# Altium PCB FMC_ADC_250M_16B_4ch_pcb.PcbDoc (part 3 of 8) (continued)
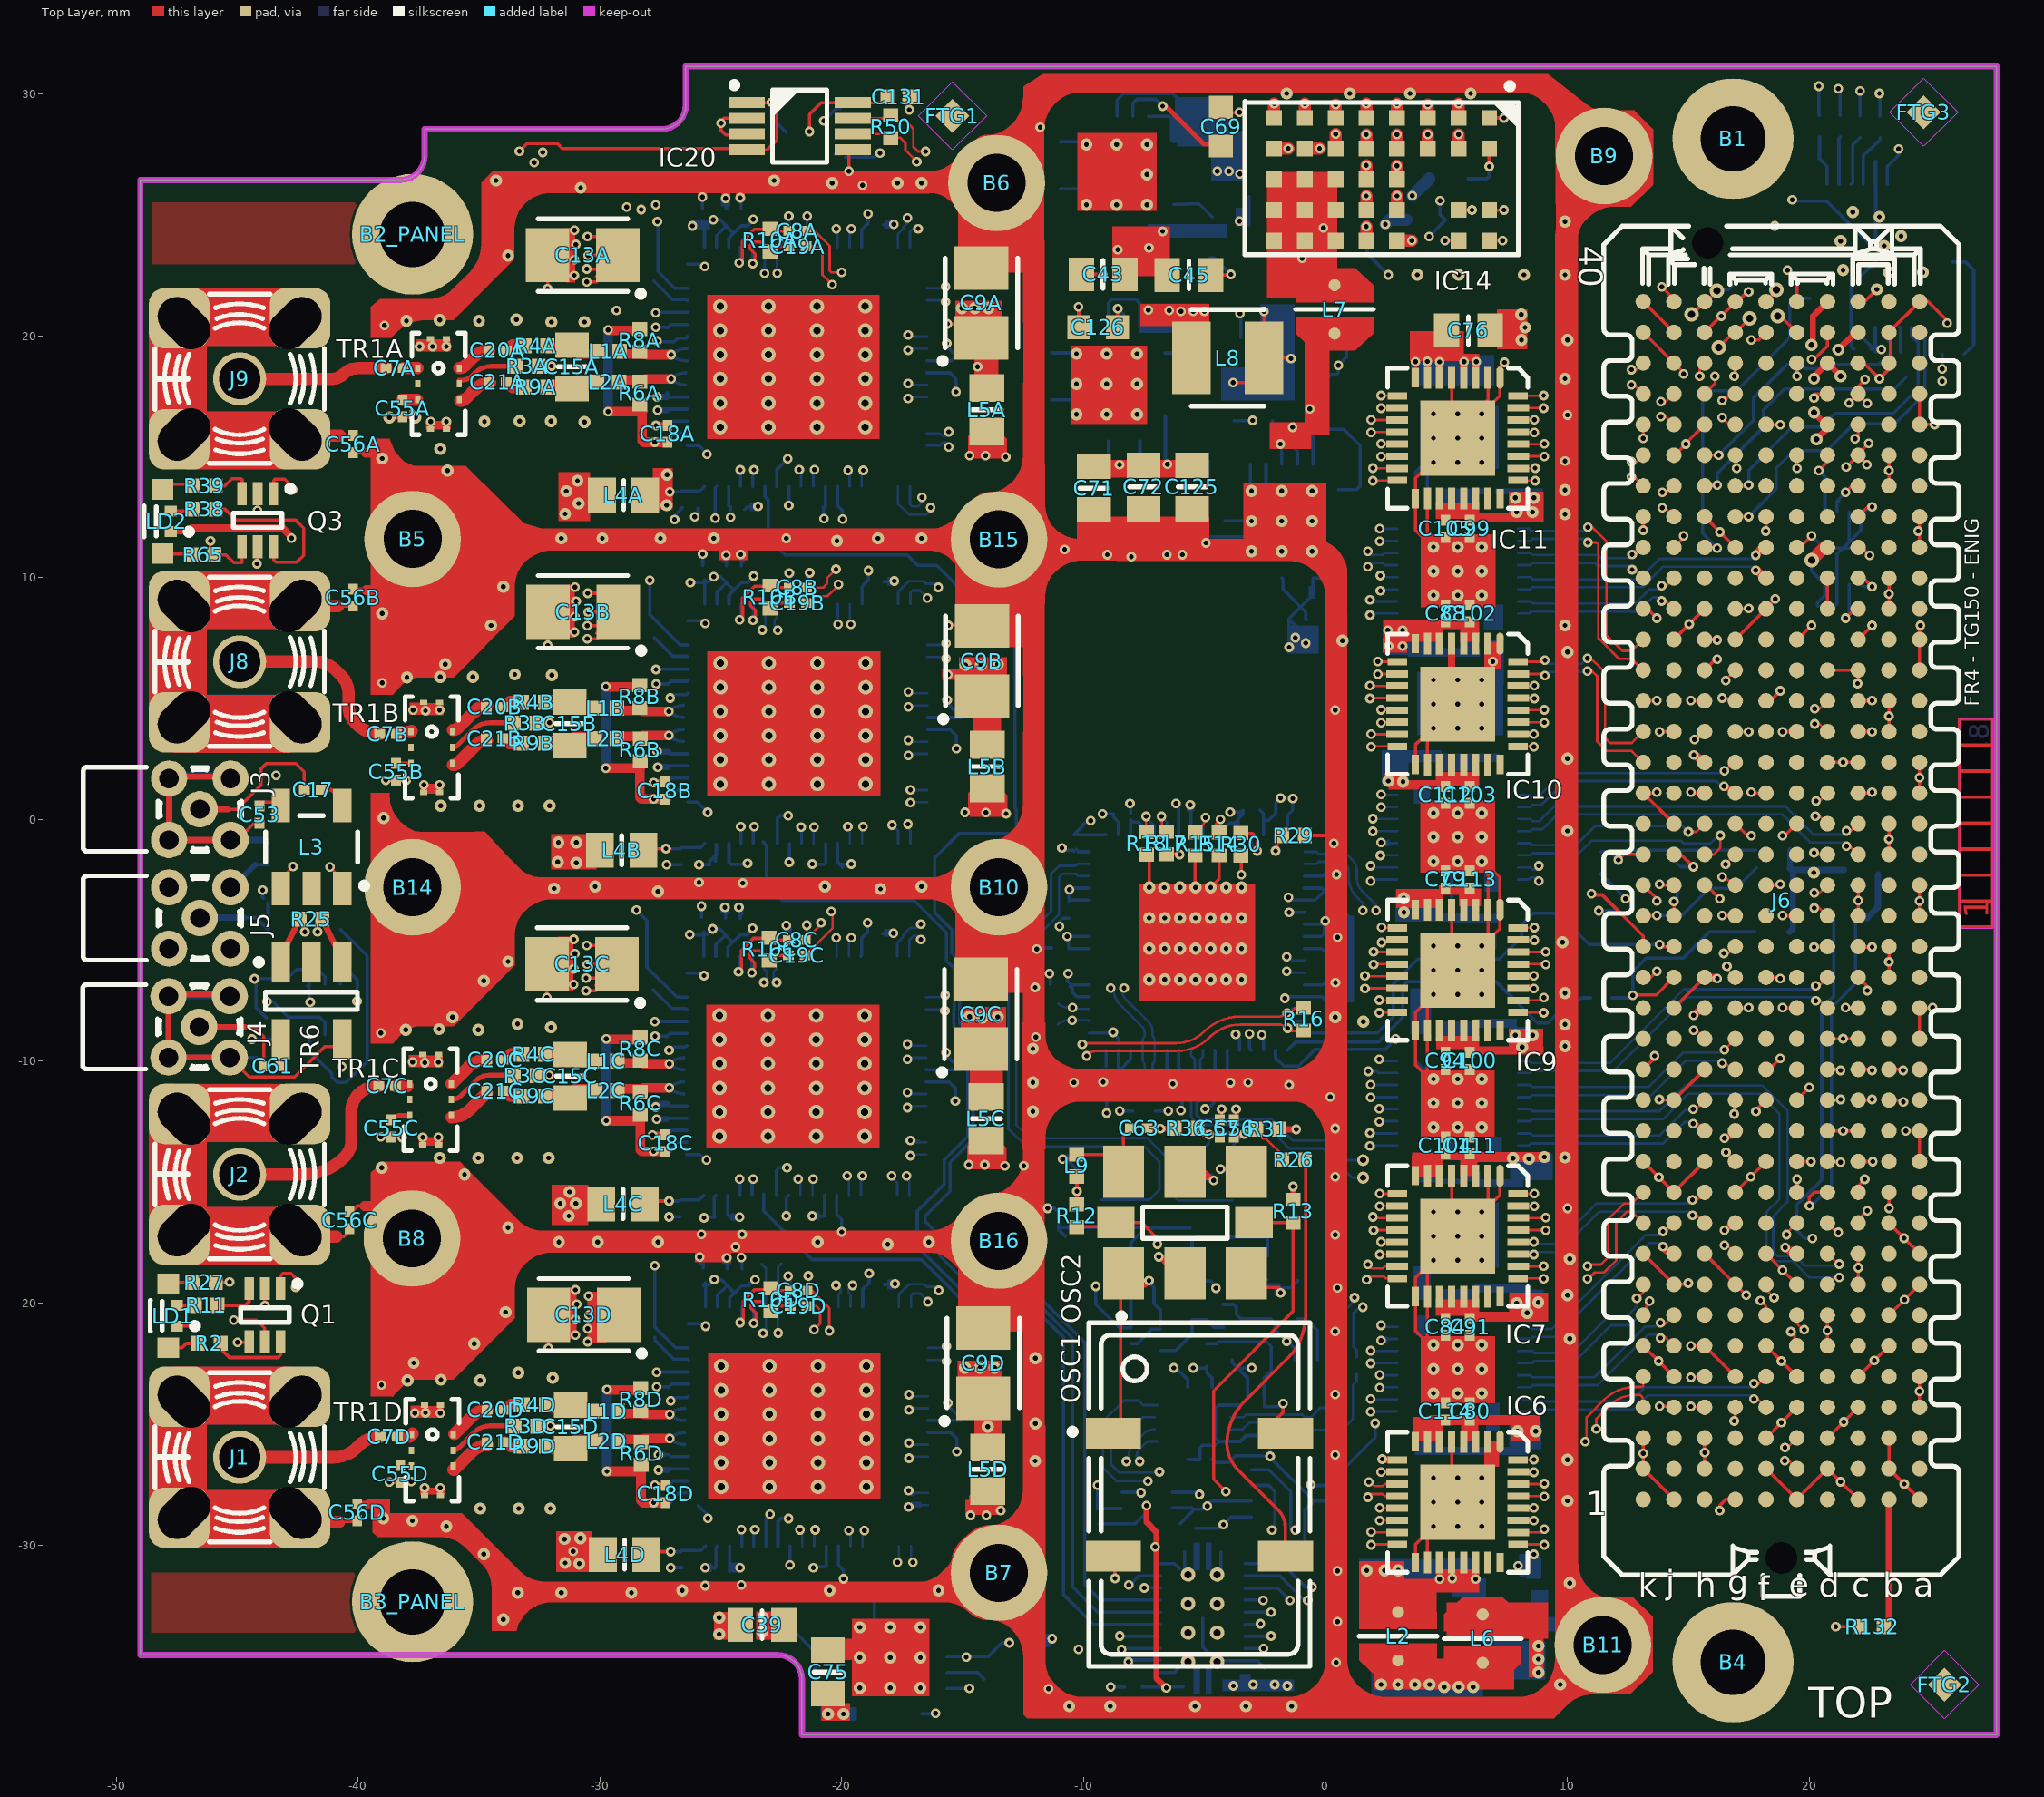
[diagram p0: Top Layer view]
## Nets (pads, with @x,y where several pads share a name; then routed paths per layer and width w, separated by ;. In a path a pad name is that pad's centre, name@x,y a point inside that pad or via, vN(x,y) a via of type N, cw(c..) or ccw(c..) an arc to the next point about the centre after c; other vN are vias at no path point) (continued)
  Bottom Layer w0.102: v1(-17.213,-25.787) -17.149,-25.85 IC1D.47@-16.433,-25.85 ; v1(1.865,-23.966) 1.879,-23.979 IC5.10@2.971,-23.979
ADC_DATA0.CLKOUT_P: IC1D.48 IC5.9 | length 22.4
  L3 w0.102: v1(-17.213,-26.414) -17.023,-26.224 -16.245,-26.224 -13.821,-23.8 -0.991,-23.8 -0.424,-24.366 1.739,-24.366 v1(1.865,-24.493)
  Bottom Layer w0.102: v1(-17.213,-26.414) -17.149,-26.35 IC1D.48@-16.433,-26.35 ; v1(1.865,-24.493) 1.879,-24.479 IC5.9@2.971,-24.479
ADC_DATA0.D0_N: IC1D.63 IC6.15 | length 27.9
  Top Layer w0.102: v1(1.891,-29.466) 1.904,-29.479 IC6.15@2.971,-29.479
  L3 w0.102: -21.299,-29.45 -21.299,-30.059 -21.096,-30.262 -20.131,-30.262 -19.064,-31.329 -16.524,-31.329 -14.376,-29.181 -11.288,-29.181 -10.043,-30.426 0.358,-30.426 1.168,-29.615 1.742,-29.615 v1(1.891,-29.466)
  Bottom Layer w0.102: IC1D.63@-21.133,-30.05 -21.133,-29.461 v1@-21.071,-29.399
  other v1: -21.099,-29.373
ADC_DATA0.D0_P: IC1D.64 IC6.16 | length 28.2
  Top Layer w0.102: v1(1.891,-29.993) 1.904,-29.979 IC6.16@2.971,-29.979
  L3 w0.102: -21.528,-29.45 -21.528,-30.154 -21.191,-30.491 -20.226,-30.491 -19.159,-31.558 -16.429,-31.558 -14.281,-29.41 -11.383,-29.41 -10.16,-30.632 -10.138,-30.655 0.452,-30.655 0.474,-30.632 1.263,-29.844 1.742,-29.844 v1(1.891,-29.993)
  Bottom Layer w0.102: v1@-21.731,-29.45 -21.633,-29.547 IC1D.64@-21.633,-30.05
  other v1: -21.728,-29.373
ADC_DATA0.D2_N: IC1D.59 IC6.12 | length 24.9
  Top Layer w0.102: v1(1.764,-28.027) 1.896,-27.895 2.371,-27.895 2.455,-27.979 IC6.12@2.971,-27.979
  L3 w0.102: v1(-19.064,-29.399) -19.064,-29.373 -18.836,-29.145 -16.673,-29.145 -15.022,-27.494 -11.013,-27.494 -9.423,-29.083 -4.674,-29.083 -4.394,-28.804 -0.591,-28.804 0.388,-27.824 1.561,-27.824 v1(1.764,-28.027)
  Bottom Layer w0.102: IC1D.59@-19.133,-30.05 -19.133,-29.468 v1(-19.064,-29.399)
ADC_DATA0.D2_P: IC1D.60 IC6.11 | length 25.6
  Top Layer w0.102: v1(1.789,-27.392) 1.846,-27.392 2.018,-27.564 2.371,-27.564 2.455,-27.479 IC6.11@2.971,-27.479
  L3 w0.102: v1@-19.633,-29.465 -19.633,-29.434 -19.116,-28.916 -16.768,-28.916 -15.117,-27.265 -15.095,-27.265 -10.918,-27.265 -9.329,-28.854 -4.768,-28.854 -4.438,-28.524 -0.635,-28.524 0.294,-27.595 1.404,-27.595 ; 1.419,-27.581 1.434,-27.595 1.586,-27.595 v1(1.789,-27.392)
  Bottom Layer w0.102: v1(-19.699,-29.399) -19.633,-29.465 IC1D.60@-19.633,-30.05
ADC_DATA0.D4_N: IC1D.55 IC6.14 | length 23.9
  Top Layer w0.102: v1(2.246,-28.993) 2.26,-28.979 IC6.14@2.971,-28.979
  L3 w0.102: v1(-17.061,-30.72) -17.235,-30.72 -17.261,-30.694 -17.261,-30.313 -16.677,-29.729 -16.201,-29.729 -14.569,-28.098 -11.646,-28.098 -10.051,-29.693 -10.023,-29.721 -4.772,-29.721 -4.365,-30.129 -0.004,-30.129 1.281,-28.844 2.097,-28.844 v1(2.246,-28.993)
  Bottom Layer w0.102: IC1D.55@-17.133,-30.05 -17.133,-30.647 v1(-17.061,-30.72)
ADC_DATA0.D4_P: IC1D.56 IC6.13 | length 24.3
  Top Layer w0.102: v1(2.246,-28.466) 2.26,-28.479 IC6.13@2.971,-28.479
  L3 w0.102: v1(-17.689,-30.72) -17.515,-30.72 -17.489,-30.694 -17.489,-30.219 -16.771,-29.5 -16.296,-29.5 -14.664,-27.869 -11.552,-27.869 -9.928,-29.493 -4.613,-29.493 -4.205,-29.9 -0.098,-29.9 1.187,-28.615 2.097,-28.615 v1(2.246,-28.466)
  Bottom Layer w0.102: v1(-17.689,-30.72) -17.633,-30.664 IC1D.56@-17.633,-30.05
ADC_DATA0.D6_N: IC1D.51 IC6.9 | length 22.7
  Top Layer w0.102: v1(2.348,-26.452) 2.375,-26.479 IC6.9@2.971,-26.479
  L3 w0.102: v1(-17.235,-27.748) -17.032,-27.951 -16.677,-27.951 -15.33,-26.605 -14.147,-26.605 -13.094,-25.552 0.711,-25.552 1.764,-26.605 2.196,-26.605 v1(2.348,-26.452)
  Bottom Layer w0.102: v1(-17.235,-27.748) -17.235,-27.808 -17.108,-27.935 -17.035,-27.935 -16.95,-27.85 IC1D.51@-16.433,-27.85
ADC_DATA0.D6_P: IC1D.52 IC6.10 | length 22.5
  Top Layer w0.102: v1(2.297,-26.986) 2.304,-26.979 IC6.10@2.971,-26.979
  L3 w0.102: v1(-17.235,-28.434) -16.981,-28.18 -16.582,-28.18 -15.236,-26.833 -14.052,-26.833 -13.387,-26.169 -13,-25.781 0.617,-25.781 1.669,-26.833 2.145,-26.833
  Bottom Layer w0.102: v1(-17.235,-28.434) -17.235,-28.392 -17.108,-28.265 -17.035,-28.265 -16.95,-28.35 IC1D.52@-16.433,-28.35
ADC_DATA0.D8_N: IC1D.43 IC5.12 | length 21.5
  L3 w0.102: v1(-17.213,-23.787) -17.011,-23.989 -16.466,-23.989 -15.581,-23.103 2.11,-23.103 v1(2.246,-22.966)
  Bottom Layer w0.102: v1(-17.213,-23.787) -17.149,-23.85 IC1D.43@-16.433,-23.85 ; v1(2.246,-22.966) 2.26,-22.979 IC5.12@2.971,-22.979
ADC_DATA0.D8_P: IC1D.44 IC5.11 | length 21.5
  L3 w0.102: v1(-17.213,-24.414) -17.017,-24.217 -16.372,-24.217 -15.486,-23.331 2.078,-23.331 2.239,-23.493 v1(2.246,-23.493)
  Bottom Layer w0.102: v1(-17.213,-24.414) -17.149,-24.35 IC1D.44@-16.433,-24.35 ; v1(2.246,-23.493) 2.26,-23.479 IC5.11@2.971,-23.479
ADC_DATA0.D10_N: IC1D.39 IC5.14 | length 19.7
  L3 w0.102: v1(-15.664,-21.787) -15.655,-21.795 -15.501,-21.641 -10.795,-21.641 -10.363,-22.073 1.759,-22.073 v1(1.865,-21.966)
  Bottom Layer w0.102: IC1D.39@-16.433,-21.85 -15.727,-21.85 v1(-15.664,-21.787) ; v1(1.865,-21.966) 1.879,-21.979 IC5.14@2.971,-21.979
ADC_DATA0.D10_P: IC1D.40 IC5.13 | length 19.9
  L3 w0.102: v1(-15.664,-22.414) -15.614,-22.414 -15.069,-21.869 -10.889,-21.869 -10.429,-22.33 1.695,-22.33 1.709,-22.344 1.716,-22.344 v1(1.865,-22.493)
  Bottom Layer w0.102: IC1D.40@-16.433,-22.35 -15.727,-22.35 v1(-15.664,-22.414) ; v1(1.865,-22.493) 1.879,-22.479 IC5.13@2.971,-22.479
ADC_DATA0.D12_N: IC1D.35 IC5.16 | length 22.2
  L3 w0.102: v1(-15.982,-19.47) -15.081,-20.371 1.067,-20.371 1.811,-21.115 2.097,-21.115 v1(2.297,-20.915)
  Bottom Layer w0.102: IC1D.35@-17.633,-20.15 -17.633,-19.631 -17.62,-19.631 -17.208,-19.219 -16.58,-19.219 -16.479,-19.321 -16.131,-19.321 v1(-15.982,-19.47) ; v1(2.297,-20.915) 2.362,-20.979 IC5.16@2.971,-20.979
ADC_DATA0.D12_P: IC1D.36 IC5.15 | length 21.5
  L3 w0.102: v1(-16.434,-19.939) -16.434,-19.922 -16.375,-19.863 -15.913,-19.863 -15.176,-20.599 0.972,-20.599 1.717,-21.344 2.097,-21.344 v1(2.297,-21.544)
  Bottom Layer w0.102: IC1D.36@-17.133,-20.15 -17.133,-19.684 -17.05,-19.601 -16.738,-19.601 -16.426,-19.913 -16.434,-19.922 v1(-16.434,-19.939) ; v1(2.297,-21.544) 2.362,-21.479 IC5.15@2.971,-21.479
ADC_DATA0.D14_N: IC1D.30 IC7.15 | length 25.8
  Top Layer w0.102: v1(1.764,-18.401) 1.928,-18.564 2.371,-18.564 2.455,-18.479 IC7.15@2.971,-18.479
  L3 w0.102: v1@-20.071,-19.23 -19.979,-19.137 -19.979,-18.535 -19.912,-18.468 -19.514,-18.07 -15.256,-18.07 -14.225,-19.101 -12.762,-19.101 -12.13,-18.469 -7.083,-18.469 -7.058,-18.494 -7.049,-18.494 -6.94,-18.604 1.561,-18.604 v1(1.764,-18.401)
  Bottom Layer w0.102: v1(-20.233,-19.264) -20.175,-19.264 -20.048,-19.391 -20.048,-19.561 -20.133,-19.646 IC1D.30@-20.133,-20.15
ADC_DATA0.D14_P: IC1D.31 IC7.16 | length 25.5
  Top Layer w0.102: v1(1.713,-19.036) 1.854,-18.895 2.421,-18.895 2.506,-18.979 IC7.16@2.971,-18.979
  L3 w0.102: v1(-19.547,-19.264) -19.75,-19.061 -19.75,-18.629 -19.42,-18.299 -15.35,-18.299 -14.32,-19.329 -12.667,-19.329 -12.036,-18.698 -7.178,-18.698 -7.153,-18.723 -7.144,-18.723 -7.034,-18.832 1.51,-18.832 v1(1.713,-19.036)
  Bottom Layer w0.102: IC1D.31@-19.633,-20.15 -19.633,-19.646 -19.718,-19.561 -19.718,-19.391 -19.591,-19.264 v1(-19.547,-19.264)
ADC_DATA1.CLKOUT_N: IC1C.47 IC8.12 | length 21.7
  L3 w0.102: v1(-17.283,-11.287) -17.281,-11.289 -16.981,-11.289 -16.702,-11.009 -15.568,-11.009 -15.563,-11.005 -15.04,-11.005 -15.035,-11.009 -14.594,-11.009 -14.267,-11.336 -5.274,-11.336 -5.27,-11.332 -4.789,-11.332 -4.784,-11.336 -3.269,-11.336 -2.49,-12.115 2.072,-12.115 v1(2.221,-11.966)
  Bottom Layer w0.102: v1(-17.283,-11.287) -17.219,-11.35 IC1C.47@-16.503,-11.35 ; v1(2.221,-11.966) 2.235,-11.979 IC8.12@2.971,-11.979
ADC_DATA1.CLKOUT_P: IC1C.48 IC8.11 | length 21.9
  L3 w0.102: v1(-17.283,-11.914) -16.607,-11.238 -14.688,-11.238 -14.361,-11.565 -5.18,-11.565 -5.175,-11.56 -4.883,-11.56 -4.879,-11.565 -3.363,-11.565 -2.585,-12.344 2.072,-12.344 v1(2.221,-12.493)
  Bottom Layer w0.102: v1(-17.283,-11.914) -17.219,-11.85 IC1C.48@-16.503,-11.85 ; v1(2.221,-12.493) 2.235,-12.479 IC8.11@2.971,-12.479
ADC_DATA1.D0_N: IC1C.63 IC7.13 | length 27.4
  Top Layer w0.102: v1(2.301,-17.466) 2.314,-17.479 IC7.13@2.971,-17.479
  L3 w0.102: v1(-21.176,-14.87) -21.35,-14.87 -21.376,-14.895 -21.376,-15.323 -20.584,-16.115 -15.803,-16.115 -15.004,-15.316 -10.998,-15.316 -10.581,-15.734 -10.173,-16.141 -1.161,-16.141 0.313,-17.615 2.151,-17.615 v1(2.301,-17.466)
  Bottom Layer w0.102: IC1C.63@-21.203,-15.55 -21.203,-14.898 v1(-21.176,-14.87)
ADC_DATA1.D0_P: IC1C.64 IC7.14 | length 27.8
  Top Layer w0.102: v1(2.246,-17.993) 2.26,-17.979 IC7.14@2.971,-17.979
  L3 w0.102: v1(-21.804,-14.87) -21.63,-14.87 -21.604,-14.895 -21.604,-15.417 -20.678,-16.343 -15.708,-16.343 -14.91,-15.545 -11.093,-15.545 -10.287,-16.35 -10.268,-16.37 -1.255,-16.37 0.219,-17.844 2.097,-17.844 v1(2.246,-17.993)
  Bottom Layer w0.102: v1(-21.804,-14.87) -21.703,-14.971 IC1C.64@-21.703,-15.55
ADC_DATA1.D2_N: IC1C.59 IC7.11 | length 25.2
  Top Layer w0.102: v1@1.969,-16.479 IC7.11@2.971,-16.479
  L3 w0.102: v1(-19.144,-14.743) -19.217,-14.743 -19.344,-14.87 -19.344,-15.53 -19.191,-15.683 -16.158,-15.683 -15.219,-14.743 -8.676,-14.743 -7.709,-15.709 -0.982,-15.709 -0.162,-16.529 v1@1.852,-16.529 ; v1@1.969,-16.53 v1(1.969,-16.435)
  Bottom Layer w0.102: IC1C.59@-19.203,-15.55 -19.203,-14.803 v1(-19.144,-14.743)
ADC_DATA1.D2_P: IC1C.60 IC7.12 | length 25.7
  Top Layer w0.102: v1(1.992,-16.993) 2.006,-16.979 IC7.12@2.971,-16.979
  L3 w0.102: v1(-19.772,-14.743) -19.699,-14.743 -19.572,-14.87 -19.572,-15.625 -19.286,-15.911 -16.064,-15.911 -15.124,-14.972 -8.77,-14.972 -7.824,-15.918 -7.804,-15.938 -1.077,-15.938 -0.257,-16.758 1.757,-16.758 v1(1.992,-16.993)
  Bottom Layer w0.102: v1(-19.772,-14.743) -19.703,-14.812 IC1C.60@-19.703,-15.55
ADC_DATA1.D4_N: IC1C.55 IC7.9 | length 24
  Top Layer w0.102: v1(2.246,-15.466) 2.26,-15.479 IC7.9@2.971,-15.479
  L3 w0.102: v1(-17.312,-14.743) -17.312,-15.075 -17.136,-15.251 -16.61,-15.251 -14.578,-13.219 -8.803,-13.219 -6.744,-15.277 -2.824,-15.277 -2.203,-14.656 -2.141,-14.594 -0.443,-14.594 -0.381,-14.656 0.579,-15.615 2.097,-15.615 v1(2.246,-15.466)
  Bottom Layer w0.102: v1(-17.312,-14.743) -17.312,-14.864 -17.203,-14.972 IC1C.55@-17.203,-15.55
ADC_DATA1.D4_P: IC1C.56 IC7.10 | length 24.7
  Top Layer w0.102: v1(2.246,-15.993) 2.26,-15.979 IC7.10@2.971,-15.979
  L3 w0.102: v1(-17.94,-14.743) -17.94,-14.946 -17.406,-15.48 ; -17.413,-15.48 -17.406,-15.48 ; v1(2.246,-15.993) 2.097,-15.844 0.484,-15.844 -0.537,-14.823 -2.046,-14.823 -2.71,-15.486 -2.73,-15.506 -6.839,-15.506 -6.858,-15.486 -8.897,-13.448 -14.483,-13.448 -16.515,-15.48 -17.406,-15.48
  Bottom Layer w0.102: v1(-17.94,-14.743) -17.94,-14.792 -17.703,-15.029 IC1C.56@-17.703,-15.55
ADC_DATA1.D6_N: IC1C.51 IC8.10 | length 22.1
  L3 w0.102: v1(-17.159,-13.27) -17.134,-13.295 -17.134,-13.473 -16.492,-13.473 -15.628,-12.609 -8.207,-12.609 -7.126,-13.691 0.458,-13.691 1.033,-13.115 1.691,-13.115 v1(1.84,-12.966)
  Bottom Layer w0.102: v1(-17.159,-13.27) -17.079,-13.35 IC1C.51@-16.503,-13.35 ; v1(1.84,-12.966) 1.854,-12.979 IC8.10@2.971,-12.979
ADC_DATA1.D6_P: IC1C.52 IC8.9 | length 22.1
  L3 w0.102: v1(-17.159,-13.905) -17.134,-13.879 -17.134,-13.702 -16.397,-13.702 -15.534,-12.838 -8.301,-12.838 -7.22,-13.919 0.552,-13.919 1.049,-13.422 1.128,-13.344 1.691,-13.344 v1(1.84,-13.493)
  Bottom Layer w0.102: v1(-17.159,-13.905) -17.105,-13.85 IC1C.52@-16.503,-13.85 ; v1(1.84,-13.493) 1.854,-13.479 IC8.9@2.971,-13.479
ADC_DATA1.D8_N: IC1C.43 IC8.14 | length 22.2
  L3 w0.102: v1(-17.283,-9.287) -17.084,-9.486 -16.607,-9.486 -15.948,-10.146 -9.903,-10.146 -9.896,-10.152 -9.604,-10.152 -9.597,-10.146 -2.942,-10.146 -2.699,-10.389 -1.709,-11.379 -0.914,-11.379 -0.432,-10.897 -0.429,-10.894 1.582,-10.894 1.654,-10.966 v1(1.865,-10.966)
  Bottom Layer w0.102: v1(-17.283,-9.287) -17.219,-9.35 IC1C.43@-16.503,-9.35 ; v1(1.865,-10.966) 1.879,-10.979 IC8.14@2.971,-10.979
ADC_DATA1.D8_P: IC1C.44 IC8.13 | length 22.3
  L3 w0.102: v1(-17.283,-9.914) -17.084,-9.714 -16.702,-9.714 -16.042,-10.374 -9.997,-10.374 -9.991,-10.381 -9.509,-10.381 -9.503,-10.374 -3.037,-10.374 -1.803,-11.608 -0.82,-11.608 -0.335,-11.123 1.488,-11.123 1.858,-11.493 v1(1.865,-11.493)
  Bottom Layer w0.102: v1(-17.283,-9.914) -17.219,-9.85 IC1C.44@-16.503,-9.85 ; v1(1.865,-11.493) 1.879,-11.479 IC8.13@2.971,-11.479
ADC_DATA1.D10_N: IC1C.39 IC8.16 | length 20.6
  L3 w0.102: v1@-15.57,-7.264 -15.408,-7.264 -15.292,-7.148 -12.938,-7.148 -11.412,-8.675 -9.483,-8.675 -9.113,-9.045 -9.113,-9.056 -8.683,-9.485 -2.99,-9.485 -2.439,-10.036 2.102,-10.036 v1(2.221,-9.917)
  Bottom Layer w0.102: IC1C.39@-16.503,-7.35 v1@-15.797,-7.35 ; v1(2.221,-9.917) 2.221,-9.966 2.235,-9.979 IC8.16@2.971,-9.979
  other v1: -15.723,-7.264
ADC_DATA1.D10_P: IC1C.40 IC8.15 | length 21
  L3 w0.102: v1(-15.734,-7.914) -15.197,-7.377 -13.033,-7.377 -11.573,-8.837 ccw(c-11.412,-8.675) -11.412,-8.904 -9.581,-8.904 ; -9.581,-8.9 -9.341,-9.14 -9.341,-9.151 -8.778,-9.714 -3.061,-9.714 -2.488,-10.287 1.724,-10.287 v1@1.78,-10.343
  Bottom Layer w0.102: IC1C.40@-16.503,-7.85 -15.797,-7.85 v1(-15.734,-7.914) ; v1(1.78,-10.414) 2.142,-10.414 2.221,-10.493 2.235,-10.479 IC8.15@2.971,-10.479
ADC_DATA1.D12_N: IC1C.35 IC9.15 | length 23.1
  Top Layer w0.102: v1(2.221,-7.466) 2.235,-7.479 IC9.15@2.971,-7.479
  L3 w0.102: v1(-16.727,-4.332) -16.727,-4.405 -16.6,-4.532 -16.067,-4.532 -14.848,-5.751 -9.399,-5.751 -9.25,-5.901 -8.92,-5.901 -8.915,-5.905 -3.137,-5.905 -2.264,-6.778 -0.41,-6.778 0.058,-7.246 0.678,-7.246 1.047,-7.615 2.072,-7.615 v1(2.221,-7.466)
  Bottom Layer w0.102: IC1C.35@-17.703,-5.65 -17.703,-5.109 -17.464,-4.869 -17.464,-4.776 -17.169,-4.481 -16.877,-4.481 v1(-16.727,-4.332)
ADC_DATA1.D12_P: IC1C.36 IC9.16 | length 22.4
  Top Layer w0.102: v1(2.221,-7.993) 2.235,-7.979 IC9.16@2.971,-7.979
  L3 w0.102: v1(-16.727,-4.961) -16.727,-4.888 -16.6,-4.761 -16.162,-4.761 -14.942,-5.98 -9.653,-5.98 -9.449,-6.185 -3.181,-6.185 -2.359,-7.007 -0.504,-7.007 -0.036,-7.475 0.583,-7.475 0.952,-7.844 2.072,-7.844 v1(2.221,-7.993)
  Bottom Layer w0.102: IC1C.36@-17.203,-5.65 -17.203,-4.983 -17.032,-4.812 -16.877,-4.812 v1(-16.727,-4.961)
ADC_DATA1.D14_N: IC1C.30 IC9.13 | length 26.9
  Top Layer w0.102: v1(1.637,-6.466) 1.65,-6.479 IC9.13@2.971,-6.479
  L3 w0.102: v1(-20.229,-4.888) -20.029,-4.688 -20.029,-4.348 -20.018,-4.337 -20.018,-4.045 -20.029,-4.034 -20.029,-4.031 -19.962,-3.964 -19.616,-3.618 -15.184,-3.618 -14.199,-4.603 -12.459,-4.603 -11.634,-3.777 -10.497,-3.777 -9.728,-4.547 -2.743,-4.547 -2.464,-4.826 -1.049,-4.826 0.234,-6.109 0.678,-6.109 1.048,-6.479 1.048,-6.484 1.18,-6.615 1.488,-6.615 v1(1.637,-6.466)
  Bottom Layer w0.102: v1(-20.229,-4.888) -20.203,-4.914 IC1C.30@-20.203,-5.65
ADC_DATA1.D14_P: IC1C.31 IC9.14 | length 26.5
  Top Layer w0.102: v1(1.637,-6.993) 1.65,-6.979 IC9.14@2.971,-6.979
  L3 w0.102: v1(-19.601,-4.888) -19.801,-4.688 -19.801,-4.443 -19.79,-4.432 -19.79,-4.115 -19.521,-3.846 -15.279,-3.846 -14.294,-4.832 -12.365,-4.832 -11.539,-4.006 -10.592,-4.006 -9.823,-4.775 -2.838,-4.775 -2.558,-5.055 -1.144,-5.055 0.139,-6.338 0.583,-6.338 0.82,-6.574 0.82,-6.578 1.085,-6.844 1.488,-6.844 v1(1.637,-6.993)
  Bottom Layer w0.102: IC1C.31@-19.703,-5.65 -19.703,-4.99 v1(-19.601,-4.888)
ADC_DATA2.CLKOUT_N: IC1B.47 IC12.14 | length 23.7
  L3 w0.102: v1(-17.24,3.28) -17.048,3.088 -16.111,3.088 -15.086,4.113 -15.019,4.18 -4.612,4.18 -3.557,3.125 -0.994,3.125 0.9,1.231 0.9,0.652 1.03,0.522 1.03,0.517 1.662,-0.115 1.818,-0.115 v1(1.967,0.034)
  Bottom Layer w0.102: v1(-17.24,3.28) -17.177,3.217 IC1B.47@-16.461,3.217 ; v1(1.967,0.034) 1.981,0.021 IC12.14@2.971,0.021
ADC_DATA2.CLKOUT_P: IC1B.48 IC12.13 | length 23.7
  L3 w0.102: v1(-17.24,2.653) -17.034,2.859 -16.016,2.859 -14.924,3.951 -4.706,3.951 -3.651,2.896 -1.088,2.896 0.672,1.137 0.672,0.557 0.802,0.427 0.802,0.422 1.568,-0.344 1.818,-0.344 v1(1.967,-0.493)
  Bottom Layer w0.102: v1(-17.24,2.653) -17.177,2.717 IC1B.48@-16.461,2.717 ; v1(1.967,-0.493) 1.981,-0.479 IC12.13@2.971,-0.479
ADC_DATA2.D0_N: IC1B.63 IC9.11 | length 28.6
  Top Layer w0.102: v1(1.992,-5.466) 2.006,-5.479 IC9.11@2.971,-5.479
  L3 w0.102: v1(-21.147,-0.316) -21.299,-0.468 -21.299,-0.646 -20.006,-1.94 -20.006,-2.012 -19.77,-2.248 -19.436,-2.248 -19.231,-2.043 -15.882,-2.043 -14.807,-0.968 -11.986,-0.968 -11.125,-1.829 -10.287,-1.829 -8.839,-3.277 -2.556,-3.277 -1.645,-4.188 -0.867,-4.188 0.561,-5.615 1.843,-5.615 v1(1.992,-5.466)
  Bottom Layer w0.102: IC1B.63@-21.161,-0.983 -21.161,-0.33 v1(-21.147,-0.316)
ADC_DATA2.D0_P: IC1B.64 IC9.12 | length 28.9
  Top Layer w0.102: v1(1.992,-5.993) 2.006,-5.979 IC9.12@2.971,-5.979
  L3 w0.102: v1(-21.68,-0.316) -21.528,-0.468 -21.528,-0.741 -20.877,-1.392 -20.234,-2.034 -20.234,-2.107 -19.864,-2.477 -19.341,-2.477 -19.136,-2.272 -15.788,-2.272 -14.713,-1.197 -12.08,-1.197 -11.22,-2.057 -10.382,-2.057 -9.493,-2.946 -8.934,-3.505 -2.65,-3.505 -1.739,-4.416 -0.961,-4.416 0.466,-5.844 1.843,-5.844 v1(1.992,-5.993)
  Bottom Layer w0.102: v1(-21.68,-0.316) -21.661,-0.335 IC1B.64@-21.661,-0.983
ADC_DATA2.D2_N: IC1B.59 IC9.9 | length 27.2
  Top Layer w0.102: v1(2.323,-4.456) 2.346,-4.479 IC9.9@2.971,-4.479
  L3 w0.102: v1(-19.118,-0.29) -19.242,-0.29 -19.318,-0.367 -19.318,-1.078 -19.061,-1.335 -16.14,-1.335 -15.044,-0.24 -10.962,-0.24 -10.552,-0.649 -1.263,-0.649 -0.787,-1.125 -0.787,-2.471 -0.397,-2.861 0.651,-3.909 0.651,-3.953 1.248,-4.55 1.688,-4.55 1.747,-4.608 2.17,-4.608 v1(2.323,-4.456)
  Bottom Layer w0.102: IC1B.59@-19.161,-0.983 -19.161,-0.333 v1(-19.118,-0.29)
ADC_DATA2.D2_P: IC1B.60 IC9.10 | length 27.8
  Top Layer w0.102: v1(2.32,-5.085) 2.32,-5.013 2.297,-4.989 2.307,-4.979 IC9.10@2.971,-4.979
  L3 w0.102: v1(-19.747,-0.29) -19.623,-0.29 -19.547,-0.367 -19.547,-1.172 -19.222,-1.497 -19.155,-1.564 -16.045,-1.564 -15.978,-1.497 -14.949,-0.468 -11.056,-0.468 -10.647,-0.878 -1.357,-0.878 -1.016,-1.219 -1.016,-2.565 0.423,-4.004 0.423,-4.048 1.153,-4.778 1.594,-4.778 1.652,-4.837 2.145,-4.837 2.32,-5.013 v1(2.32,-5.085)
  Bottom Layer w0.102: v1(-19.747,-0.29) -19.661,-0.376 IC1B.60@-19.661,-0.983
ADC_DATA2.D4_N: IC1B.55 IC12.10 | length 25.3
  L3 w0.102: v1(-17.263,-0.188) -17.337,-0.262 -17.337,-0.621 -17.237,-0.72 -16.831,-0.72 -14.663,1.448 -3.919,1.448 -3.766,1.295 -2.852,0.381 -1.302,0.381 -0.127,-0.794 -0.127,-2.311 0.186,-2.624 0.66,-2.624 1.168,-2.115 1.665,-2.115 v1(1.865,-1.915)
  Bottom Layer w0.102: v1@-17.286,-0.316 -17.286,-0.343 -17.161,-0.469 IC1B.55@-17.161,-0.983 ; v1(1.865,-1.915) 1.93,-1.979 IC12.10@2.971,-1.979
ADC_DATA2.D4_P: IC1B.56 IC12.9 | length 25.9
  L3 w0.102: v1(-17.915,-0.229) -17.566,-0.579 -17.566,-0.715 -17.382,-0.899 -17.332,-0.949 -16.737,-0.949 -14.569,1.219 -4.013,1.219 -2.946,0.152 -1.397,0.152 -0.356,-0.889 -0.356,-2.406 0.091,-2.853 0.754,-2.853 0.787,-2.819 1.263,-2.344 1.665,-2.344 v1(1.865,-2.544)
  Bottom Layer w0.102: v1(-17.915,-0.229) -17.9,-0.229 -17.661,-0.469 IC1B.56@-17.661,-0.983 ; v1(1.865,-2.544) 1.93,-2.479 IC12.9@2.971,-2.479
ADC_DATA2.D6_N: IC1B.51 IC12.12 | length 23.8
  L3 w0.102: v1(-17.159,1.23) -17.036,1.107 -16.238,1.107 -14.257,3.088 -4.543,3.088 -2.928,1.473 -0.518,1.473 -0.014,0.969 -0.014,0.522 0.967,-0.459 1.611,-1.103 2.145,-1.103 v1(2.297,-0.951)
  Bottom Layer w0.102: v1(-17.159,1.23) -17.146,1.217 IC1B.51@-16.461,1.217 ; v1(2.297,-0.951) 2.326,-0.979 IC12.12@2.971,-0.979
ADC_DATA2.D6_P: IC1B.52 IC12.11 | length 23.8
  L3 w0.102: v1(-17.159,0.703) -17.152,0.703 -16.977,0.878 -16.143,0.878 -14.162,2.859 -4.637,2.859 -3.023,1.245 -0.613,1.245 -0.243,0.874 -0.243,0.428 1.517,-1.332 2.119,-1.332 v1(2.272,-1.484)
  Bottom Layer w0.102: v1(-17.159,0.703) -17.146,0.717 IC1B.52@-16.461,0.717 ; v1(2.272,-1.484) 2.277,-1.479 IC12.11@2.971,-1.479
ADC_DATA2.D8_N: IC1B.43 IC12.16 | length 23.8
  L3 w0.102: v1(-17.24,5.28) -17.055,5.094 -16.376,5.094 -15.879,5.592 -2.07,5.592 0.569,2.953 0.578,2.953 1.51,2.022 1.51,1.266 1.891,0.885 2.148,0.885 v1(2.297,1.034)
  Bottom Layer w0.102: v1(-17.24,5.28) -17.177,5.217 IC1B.43@-16.461,5.217 ; v1(2.297,1.034) 2.311,1.021 IC12.16@2.971,1.021
ADC_DATA2.D8_P: IC1B.44 IC12.15 | length 23.8
  L3 w0.102: v1(-17.24,4.653) -17.028,4.866 -16.282,4.866 -15.784,5.363 -2.165,5.363 0.474,2.724 0.484,2.724 1.281,1.927 1.281,1.171 1.796,0.656 2.148,0.656 v1(2.297,0.507)
  Bottom Layer w0.102: v1(-17.24,4.653) -17.177,4.717 IC1B.44@-16.461,4.717 ; v1(2.297,0.507) 2.311,0.521 IC12.15@2.971,0.521
ADC_DATA2.D10_N: IC1B.39 IC10.15 | length 21.1
  Top Layer w0.102: v1(1.891,3.534) 1.904,3.521 IC10.15@2.971,3.521
  L3 w0.102: v1(-15.691,7.28) -15.537,7.126 -14.968,7.126 -14.955,7.139 ; -14.942,7.126 -12.867,7.126 -11.84,6.099 -1.967,6.099 0.747,3.385 1.742,3.385 v1(1.891,3.534)
  Bottom Layer w0.102: IC1B.39@-16.461,7.217 -15.754,7.217 v1(-15.691,7.28)
ADC_DATA2.D10_P: IC1B.40 IC10.16 | length 21.2
  Top Layer w0.102: v1(1.891,3.007) 1.904,3.021 IC10.16@2.971,3.021
  L3 w0.102: v1(-15.691,6.653) -15.446,6.898 -12.961,6.898 -11.934,5.871 -2.062,5.871 0.653,3.156 1.742,3.156 v1(1.891,3.007)
  Bottom Layer w0.102: IC1B.40@-16.461,6.717 -15.754,6.717 v1(-15.691,6.653)
ADC_DATA2.D12_N: IC1B.35 IC10.11 | length 23.8
  Top Layer w0.102: v1(1.84,5.534) 1.854,5.521 IC10.11@2.971,5.521
  L3 w0.102: v1@-16.01,9.494 -15.97,9.454 -15.404,9.454 cw(c-15.404,9.015) -15.094,9.325 ccw(c-14.446,9.973) -14.446,9.057 -1.088,9.057 0.265,7.703 0.265,6.579 1.459,5.385 1.691,5.385 v1(1.84,5.534)
  Bottom Layer w0.102: IC1B.35@-17.661,8.917 -17.661,9.422 -17.236,9.847 -16.608,9.847 -16.506,9.746 -16.159,9.746 v1(-16.01,9.597)
ADC_DATA2.D12_P: IC1B.36 IC10.12 | length 23.1
  Top Layer w0.102: v1(1.84,5.007) 1.854,5.021 IC10.12@2.971,5.021
  L3 w0.102: v1@-16.394,9.153 -16.322,9.225 -16.172,9.225 -16.166,9.219 -15.6,9.219 -15.594,9.225 -15.404,9.225 cw(c-15.404,9.015) -15.255,9.163 ccw(c-14.446,9.972) -14.446,8.828 -1.183,8.828 0.037,7.609 0.037,6.484 1.364,5.156 1.691,5.156 v1(1.84,5.007)
  Bottom Layer w0.102: IC1B.36@-17.161,8.917 -17.161,9.383 -17.078,9.466 -16.766,9.466 v1(-16.453,9.153)
ADC_DATA2.D14_N: IC1B.30 IC10.13 | length 27.3
  Top Layer w0.102: v1(2.297,4.536) 2.312,4.521 IC10.13@2.971,4.521
  L5 w0.102: v1(-20.153,8.066) v1@-20.004,8.066
  L3 w0.102: v1(-20.153,8.066) -20.029,8.066 -20.004,8.092 -20.004,8.738 -19.304,9.438 -17.693,9.438 -16.912,8.657 -14.902,8.657 -14.642,8.396 -12.464,8.396 -12.341,8.52 -5.828,8.52 -4.267,6.96 -2.064,6.96 -1.501,6.397 -0.504,6.397 -0.37,6.263 1.51,4.383 2.145,4.383 v1(2.297,4.536)
  Bottom Layer w0.102: IC1B.30@-20.161,8.917 -20.161,8.396 -20.153,8.388 v1(-20.153,8.066)
ADC_DATA2.D14_P: IC1B.31 IC10.14 | length 26.8
  Top Layer w0.102: v1(2.297,4.002) 2.316,4.021 IC10.14@2.971,4.021
  L3 w0.102: v1(-19.626,8.066) -19.75,8.066 -19.775,8.092 -19.775,8.643 -19.209,9.209 -17.787,9.209 -17.006,8.428 -14.997,8.428 -14.736,8.168 -12.37,8.168 -12.246,8.292 -5.922,8.292 -4.362,6.731 -2.159,6.731 -1.596,6.168 -0.598,6.168 1.415,4.155 2.145,4.155 v1(2.297,4.002)
  Bottom Layer w0.102: IC1B.31@-19.661,8.917 -19.661,8.101 v1(-19.626,8.066)
ADC_DATA3.CLKOUT_N: IC1A.47 IC13.16 | length 24.2
  L3 w0.102: v1(-17.255,18.034) -17.066,17.845 -16.372,17.845 -15.808,17.281 -13.319,17.281 -10.2,14.162 -3.588,14.162 -3.297,14.454 -0.135,14.454 0.341,13.977 0.341,13.485 1.942,11.885 2.097,11.885 v1(2.246,12.034)
  Bottom Layer w0.102: v1(-17.255,18.034) -17.191,17.971 IC1A.47@-16.475,17.971 ; v1(2.246,12.034) 2.26,12.021 IC13.16@2.971,12.021
ADC_DATA3.CLKOUT_P: IC1A.48 IC13.15 | length 24.2
  L3 w0.102: v1(-17.255,17.407) -17.045,17.617 -16.466,17.617 -15.902,17.053 -15.012,17.053 -13.413,17.053 -10.294,13.934 -3.494,13.934 -3.202,14.225 -0.229,14.225 0.113,13.883 0.113,13.39 1.847,11.656 2.097,11.656 v1(2.246,11.507)
  Bottom Layer w0.102: v1(-17.255,17.407) -17.191,17.471 IC1A.48@-16.475,17.471 ; v1(2.246,11.507) 2.26,11.521 IC13.15@2.971,11.521
ADC_DATA3.D0_N: IC1A.63 IC10.9 | length 30.9
  Top Layer w0.102: v1(2.17,6.534) 2.184,6.521 IC10.9@2.971,6.521
  L3 w0.102: v1(-21.125,14.467) -21.277,14.314 -21.271,14.308 -21.271,11.526 -20.729,10.984 -15.886,10.984 -14.648,9.746 -0.278,9.746 1.586,7.881 1.586,6.563 1.764,6.385 2.021,6.385 v1(2.17,6.534)
  Bottom Layer w0.102: IC1A.63@-21.175,13.771 -21.175,14.417 v1(-21.125,14.467)
ADC_DATA3.D0_P: IC1A.64 IC10.10 | length 31.2
  Top Layer w0.102: v1(2.17,6.007) 2.184,6.021 IC10.10@2.971,6.021
  L3 w0.102: -21.611,14.325 -21.5,14.214 -21.5,11.432 -20.824,10.755 -15.981,10.755 -14.742,9.517 -0.373,9.517 1.357,7.787 1.357,6.468 1.669,6.156 2.021,6.156 v1(2.17,6.007)
  Bottom Layer w0.102: v1(-21.753,14.467) -21.675,14.389 IC1A.64@-21.675,13.771
ADC_DATA3.D2_N: IC1A.59 IC13.10 | length 27.3
  L3 w0.102: v1(-19.111,14.442) -19.318,14.234 -19.318,12.791 -18.988,12.46 -16.078,12.46 -15.011,13.527 -12.689,13.527 -11.114,11.952 -6.102,11.952 -4.647,10.498 -0.16,10.498 1.453,8.885 1.64,8.885 v1(1.84,9.085)
  Bottom Layer w0.102: IC1A.59@-19.175,13.771 -19.175,14.377 v1(-19.111,14.442) ; v1(1.84,9.085) 1.904,9.021 IC13.10@2.971,9.021
ADC_DATA3.D2_P: IC1A.60 IC13.9 | length 27.7
  L3 w0.102: v1(-19.739,14.442) -19.547,14.249 -19.547,12.696 -19.083,12.232 -15.983,12.232 -14.916,13.299 -12.783,13.299 -11.209,11.724 -6.196,11.724 -4.742,10.269 -0.254,10.269 1.291,8.723 1.358,8.656 1.64,8.656 v1(1.84,8.456)
  Bottom Layer w0.102: v1(-19.739,14.442) -19.675,14.377 IC1A.60@-19.675,13.771 ; v1(1.84,8.456) 1.904,8.521 IC13.9@2.971,8.521
ADC_DATA3.D4_N: IC1A.55 IC13.12 | length 23.5
  L3 w0.102: v1(-16.675,13.322) -16.61,13.257 -16.457,13.257 -15.501,14.213 -12.518,14.213 -10.918,12.613 -4.561,12.613 -4.358,12.41 -3.748,11.8 -0.164,11.8 1.751,9.885 2.072,9.885 v1(2.272,10.085)
  Bottom Layer w0.102: IC1A.55@-17.175,13.771 -17.175,13.035 -17.083,12.943 -16.854,12.943 -16.675,13.123 v1(-16.675,13.322) ; v1(2.272,10.085) 2.336,10.021 IC13.12@2.971,10.021
ADC_DATA3.D4_P: IC1A.56 IC13.11 | length 24.2
  L3 w0.102: v1@-16.23,12.878 -16.296,12.943 -16.296,13.095 -15.407,13.984 -12.613,13.984 -11.012,12.384 -4.655,12.384 -3.843,11.571 -0.259,11.571 1.656,9.656 2.072,9.656 v1(2.272,9.456)
  Bottom Layer w0.102: IC1A.56@-17.675,13.771 -17.675,13.052 -17.659,13.052 -17.22,12.613 -16.495,12.613 v1@-16.23,12.878 ; v1(2.272,9.456) 2.336,9.521 IC13.11@2.971,9.521
  other v1: -16.325,12.9
ADC_DATA3.D6_N: IC1A.51 IC13.14 | length 22.3
  L3 w0.102: v1(-15.578,16.034) -15.408,15.864 -13.195,15.864 -10.705,13.375 -3.627,13.375 -3.347,13.095 -0.217,13.095 1.23,11.648 1.23,11.088 1.434,10.885 1.564,10.885 v1(1.764,11.085)
  Bottom Layer w0.102: IC1A.51@-16.475,15.971 -15.934,15.971 -15.824,15.86 -15.654,15.86 -15.578,15.937 v1(-15.578,16.034) ; v1(1.764,11.085) 1.913,10.936 2.371,10.936 2.455,11.021 IC13.14@2.971,11.021